# Allegro board PandaX_III_V3.brd (continued)
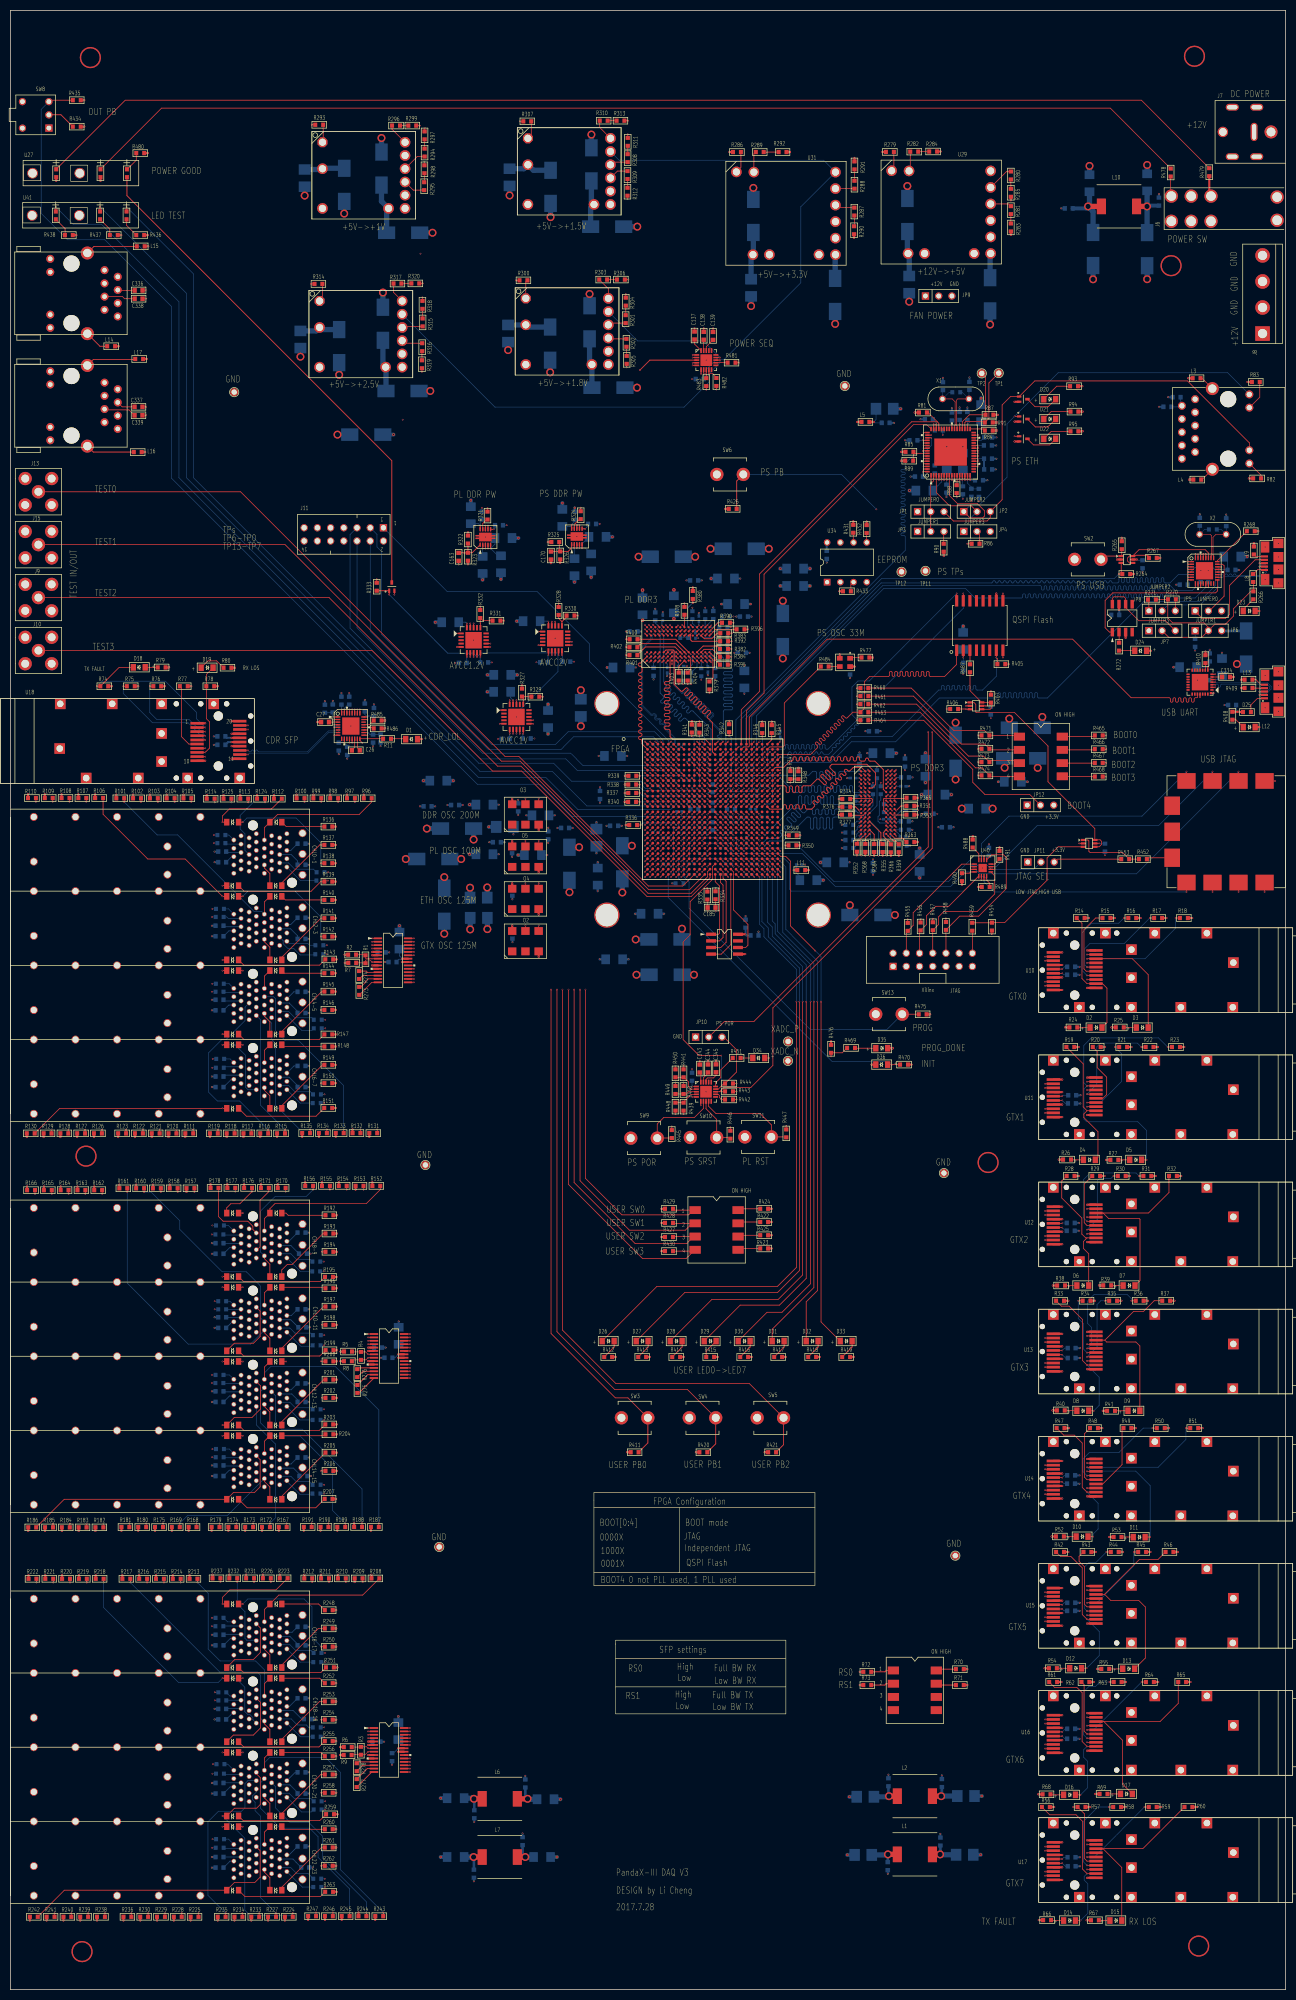
[diagram p0: board, top side]
## Routing (per net, layer and track width the routed paths; a pad name or vN(x,y) marks a point on that pad's centre or on a via; arc(x,y) is an arc through that point) (continued)
PL_DDR3_DQ15: length 25
  TOP w0.102: U43.A3 v1(121.96,256.41) ; U1.A2 v1(122.92,239.62)
  SIG2 w0.152: v1(121.96,256.41) 122.38,256 122.38,254.5 arc(122.46,254.3) 122.66,254.22 arc(122.85,254.14) 122.94,253.94 122.94,253.89 arc(122.85,253.69) 122.66,253.61 arc(122.46,253.53) 122.38,253.33 122.38,253.28 arc(122.46,253.08) 122.66,253 arc(122.85,252.92) 122.94,252.72 122.94,252.67 arc(122.85,252.47) 122.66,252.39 arc(122.46,252.31) 122.38,252.11 122.38,252.06 arc(122.46,251.86) 122.66,251.78 arc(122.85,251.7) 122.94,251.5 122.94,251.45 arc(122.85,251.26) 122.66,251.17 arc(122.46,251.09) 122.38,250.89 122.38,250.84 arc(122.46,250.65) 122.66,250.56 arc(122.85,250.48) 122.94,250.28 122.94,250.23 arc(122.85,250.04) 122.66,249.95 arc(122.46,249.87) 122.38,249.67 122.38,249.62 arc(122.46,249.43) 122.66,249.34 arc(122.85,249.26) 122.94,249.07 122.94,249.01 arc(122.85,248.82) 122.66,248.74 arc(122.46,248.65) 122.38,248.46 122.38,248.4 arc(122.46,248.21) 122.66,248.13 arc(122.85,248.04) 122.94,247.85 122.94,247.8 arc(122.85,247.6) 122.66,247.52 arc(122.46,247.43) 122.38,247.24 122.38,247.19 arc(122.46,246.99) 122.66,246.91 arc(122.85,246.82) 122.94,246.63 122.94,246.58 arc(122.85,246.38) 122.66,246.3 arc(122.46,246.21) 122.38,246.02 122.38,245.97 arc(122.46,245.77) 122.66,245.69 arc(122.85,245.61) 122.94,245.41 122.94,245.36 arc(122.85,245.16) 122.66,245.08 arc(122.46,245) 122.38,244.8 122.38,244.75 arc(122.46,244.55) 122.66,244.47 arc(122.85,244.39) 122.94,244.19 122.94,244.14 arc(122.85,243.94) 122.66,243.86 arc(122.46,243.78) 122.38,243.58 122.38,243.26 arc(122.43,243.14) 122.56,243.09 arc(122.68,243.03) 122.73,242.91 122.73,242.65 arc(122.68,242.53) 122.56,242.48 arc(122.43,242.42) 122.38,242.3 122.38,242.04 arc(122.43,241.92) 122.56,241.87 arc(122.68,241.81) 122.73,241.69 122.73,241.43 arc(122.68,241.31) 122.56,241.26 arc(122.43,241.2) 122.38,241.08 122.38,240.17 v1(122.92,239.62)
PL_DDR3_LDM: length 38.2
  TOP w0.127: U43.E7 v1(125.18,260.31)
  TOP w0.152: U1.D13 v1(133.92,236.62)
  BOTTOM w0.152: v1(133.92,236.62) 134.62,237.32 134.62,241.99 131.15,245.46 arc(130.93,245.55) 130.72,245.46 130.42,245.17 arc(129.99,245.17) 129.99,245.6 130.29,245.89 arc(130.29,246.32) 129.85,246.32 129.56,246.03 arc(129.13,246.03) 129.13,246.46 129.42,246.75 arc(129.42,247.18) 128.99,247.18 128.7,246.89 arc(128.27,246.89) 128.27,247.32 128.56,247.61 arc(128.56,248.05) 128.13,248.05 127.84,247.75 arc(127.41,247.75) 127.41,248.18 127.7,248.48 arc(127.7,248.91) 127.27,248.91 126.98,248.61 arc(126.54,248.61) 126.54,249.05 126.84,249.34 arc(126.84,249.77) 126.41,249.77 126.11,249.48 arc(125.68,249.48) 125.68,249.91 125.98,250.2 arc(126.06,250.42) 125.98,250.63 125.53,251.08 125.53,259.97 v1(125.18,260.31)
PL_DDR3_LDQS_N: length 38
  TOP w0.152: U43.G3 v1(126.73,256.38) ; U1.A14 v1(135.93,239.62)
  BOTTOM w0.102: v1(126.73,256.38) 126.44,256.66 126.44,256.92 126.55,257.02 127.33,257.02 127.48,256.87 127.48,250.39 128.98,248.89 arc(129.29,248.77) 129.59,248.89 130.11,249.41 arc(130.4,249.41) 130.4,249.13 129.88,248.61 arc(129.75,248.3) 129.88,248 arc(130.19,247.87) 130.49,248 131.01,248.52 arc(131.3,248.52) 131.3,248.23 130.78,247.71 arc(130.65,247.4) 130.78,247.1 arc(131.08,246.97) 131.39,247.1 131.91,247.62 arc(132.2,247.62) 132.2,247.33 131.68,246.81 arc(131.55,246.5) 131.68,246.2 arc(131.98,246.07) 132.29,246.2 132.81,246.72 arc(133.1,246.72) 133.1,246.43 132.58,245.91 arc(132.45,245.61) 132.58,245.3 arc(132.88,245.17) 133.19,245.3 133.71,245.82 arc(133.99,245.82) 133.99,245.53 133.47,245.01 arc(133.35,244.71) 133.47,244.4 arc(133.78,244.28) 134.08,244.4 134.6,244.92 arc(134.89,244.92) 134.89,244.64 134.37,244.12 arc(134.25,243.81) 134.37,243.51 136.31,241.56 136.31,241.05 arc(136.25,240.91) 136.11,240.85 135.99,240.85 arc(135.79,240.64) 135.99,240.44 136.11,240.44 arc(136.25,240.38) 136.31,240.24 136.31,240.01 v1(135.93,239.62)
PL_DDR3_LDQS_P: length 38.1
  TOP w0.152: U1.A15 v1(136.93,239.62) ; U43.F3 v1(125.93,256.38)
  BOTTOM w0.102: v1(136.93,239.62) 136.54,240.01 136.54,241.66 134.53,243.67 arc(134.47,243.81) 134.53,243.95 135.05,244.47 arc(135.05,245.08) 134.44,245.08 133.92,244.56 arc(133.78,244.51) 133.64,244.56 arc(133.58,244.71) 133.64,244.85 134.15,245.37 arc(134.15,245.98) 133.54,245.98 133.02,245.46 arc(132.88,245.4) 132.74,245.46 arc(132.68,245.61) 132.74,245.75 133.26,246.27 arc(133.26,246.88) 132.65,246.88 132.13,246.36 arc(131.98,246.3) 131.84,246.36 arc(131.78,246.5) 131.84,246.65 132.36,247.17 arc(132.36,247.78) 131.75,247.78 131.23,247.26 arc(131.08,247.2) 130.94,247.26 arc(130.88,247.4) 130.94,247.55 131.46,248.07 arc(131.46,248.68) 130.85,248.68 130.33,248.16 arc(130.19,248.1) 130.04,248.16 arc(129.98,248.3) 130.04,248.44 130.56,248.96 arc(130.56,249.58) 129.95,249.58 129.43,249.06 arc(129.29,249) 129.14,249.06 127.71,250.49 127.71,256.97 127.42,257.25 126.45,257.25 126.22,257.02 126.22,256.66 v1(125.93,256.38)
PL_DDR3_ODT: length 41.4
  TOP w0.127: U43.K1 v1(129.86,254.83)
  TOP w0.152: U43.K1 128.42,254.07 R403.1 ; U1.E16 v1(137.93,235.62)
  SIG2 w0.152: v1(137.93,235.62) 137.46,236.08 137.46,238.19 arc(137.41,238.33) 137.26,238.39 arc(137.12,238.45) 137.06,238.59 137.06,238.79 arc(137.12,238.94) 137.26,239 arc(137.41,239.06) 137.46,239.2 137.46,240.11 136.93,240.65 136.93,241.62 arc(136.84,241.84) 136.63,241.93 136.37,241.93 arc(136.07,242.23) 136.37,242.54 136.63,242.54 arc(136.93,242.84) 136.63,243.15 136.37,243.15 arc(136.07,243.45) 136.37,243.76 136.63,243.76 arc(136.93,244.06) 136.63,244.37 136.37,244.37 arc(136.07,244.67) 136.37,244.98 136.63,244.98 arc(136.93,245.28) 136.63,245.58 136.37,245.58 arc(136.07,245.89) 136.37,246.19 136.63,246.19 arc(136.93,246.5) 136.63,246.8 136.37,246.8 arc(136.07,247.11) 136.37,247.41 136.63,247.41 arc(136.84,247.5) 136.93,247.72 136.93,248.13 135.99,249.07 arc(135.9,249.29) 135.99,249.5 136.78,250.29 arc(136.78,250.72) 136.35,250.72 135.56,249.94 arc(135.34,249.85) 135.13,249.94 134.33,250.74 arc(134.11,250.83) 133.9,250.74 133.7,250.55 arc(133.27,250.55) 133.27,250.98 133.46,251.17 arc(133.55,251.38) 133.46,251.6 132.32,252.74 arc(132.22,252.79) 132.11,252.74 131.67,252.3 arc(131.24,252.3) 131.24,252.73 131.72,253.22 arc(131.72,253.65) 131.29,253.65 130.81,253.17 arc(130.38,253.17) 130.38,253.6 130.86,254.08 arc(130.95,254.3) 130.86,254.51 130.54,254.83 v1(129.86,254.83)
PL_DDR3_RAS_B: length 47.9
  TOP w0.102: U1.F14 v1(135.93,234.62)
  TOP w0.152: R401.1 120.47,256.24 122.02,257.79 127.7,257.79 U43.J3 v1(129.08,256.41)
  SIG2 w0.152: v1(135.93,234.62) 134.42,236.13 134.42,240.08 arc(134.33,240.29) 134.11,240.38 133.76,240.38 arc(133.45,240.69) 133.76,240.99 134.11,240.99 arc(134.42,241.3) 134.11,241.6 133.76,241.6 arc(133.45,241.91) 133.76,242.21 134.11,242.21 arc(134.42,242.52) 134.11,242.82 133.76,242.82 arc(133.45,243.13) 133.76,243.43 134.11,243.43 arc(134.42,243.74) 134.11,244.04 133.76,244.04 arc(133.45,244.35) 133.76,244.65 134.11,244.65 arc(134.42,244.96) 134.11,245.26 133.76,245.26 arc(133.45,245.57) 133.76,245.87 134.11,245.87 arc(134.42,246.17) 134.11,246.48 133.76,246.48 arc(133.45,246.78) 133.76,247.09 134.11,247.09 arc(134.33,247.18) 134.42,247.39 134.42,247.73 133.17,248.97 arc(132.95,249.06) 132.74,248.97 132.28,248.52 arc(131.85,248.52) 131.85,248.95 132.31,249.41 arc(132.31,249.84) 131.88,249.84 131.42,249.38 arc(130.99,249.38) 130.99,249.81 131.45,250.27 arc(131.53,250.48) 131.45,250.7 128.68,253.47 128.68,256.01 v1(129.08,256.41)
PL_DDR3_RESET_B: length 49.7
  TOP w0.127: U43.T2 v1(134.66,255.63)
  TOP w0.152: R379.2 134.99,251.83 134.99,255.3 v1(134.66,255.63) ; U1.D15 v1(136.93,236.62)
  BOTTOM w0.152: v1(134.66,255.63) 135.36,255.63 135.61,255.88 136.78,255.88 136.98,255.68 136.98,253.95 arc(137.07,253.73) 137.29,253.65 138.48,253.65 arc(138.79,253.34) 138.48,253.04 137.29,253.04 arc(136.98,252.73) 137.29,252.43 138.48,252.43 arc(138.79,252.12) 138.48,251.82 137.29,251.82 arc(136.98,251.51) 137.29,251.21 138.48,251.21 arc(138.79,250.9) 138.48,250.6 137.29,250.6 arc(136.98,250.29) 137.29,249.99 138.48,249.99 arc(138.79,249.68) 138.48,249.38 137.29,249.38 arc(136.98,249.07) 137.29,248.77 138.48,248.77 arc(138.79,248.46) 138.48,248.16 137.29,248.16 arc(136.98,247.85) 137.29,247.55 138.48,247.55 arc(138.79,247.24) 138.48,246.94 137.29,246.94 arc(136.98,246.64) 137.29,246.33 138.48,246.33 arc(138.79,246.03) 138.48,245.72 137.29,245.72 arc(137.07,245.63) 136.98,245.42 136.98,241.56 137.46,241.07 137.46,237.16 v1(136.93,236.62)
PL_DDR3_SYS_CK_N: length 30.3
  TOP w0.102: O3.5 v1(98.96,228.64) ; U1.J3 v1(123.92,231.62)
  SIG1 w0.102: v1(98.96,228.64) 100,228.64 100.1,228.74 100.1,230 100.43,230.33 117.12,230.33 117.47,230.68 122.17,230.68 122.61,230.25 124.13,230.25 124.31,230.43 124.31,230.45 124.31,231.24 v1(123.92,231.62)
PL_DDR3_SYS_CK_P: length 30.3
  TOP w0.102: U1.J4 v1(124.92,231.62) ; O3.4 v1(101.5,228.64)
  SIG1 w0.102: v1(124.92,231.62) 124.56,231.26 124.56,230.45 124.56,230.32 124.24,230 122.5,230 122.07,230.43 117.58,230.43 117.22,230.07 100.54,230.07 100.36,229.89 100.36,228.75 100.47,228.64 v1(101.5,228.64)
PL_DDR3_UDM: length 25.1
  TOP w0.127: U43.D3 v1(124.38,256.43)
  TOP w0.152: U1.C4 v1(124.92,237.62)
  SIG2 w0.152: v1(124.38,256.43) 124.76,256.05 124.76,254.13 125.37,253.52 125.37,251.8 arc(125.43,251.66) 125.56,251.61 arc(125.7,251.55) 125.76,251.42 125.76,251.19 arc(125.7,251.05) 125.56,251 arc(125.43,250.94) 125.37,250.81 125.37,250.58 arc(125.43,250.44) 125.56,250.39 arc(125.7,250.33) 125.76,250.2 125.76,249.97 arc(125.7,249.83) 125.56,249.78 arc(125.43,249.72) 125.37,249.59 125.37,249.36 arc(125.43,249.22) 125.56,249.17 arc(125.7,249.11) 125.76,248.98 125.76,248.75 arc(125.7,248.61) 125.56,248.56 arc(125.43,248.5) 125.37,248.37 125.37,248.14 arc(125.43,248) 125.56,247.95 arc(125.7,247.89) 125.76,247.76 125.76,247.53 arc(125.7,247.39) 125.56,247.34 arc(125.43,247.28) 125.37,247.15 125.37,246.92 arc(125.43,246.79) 125.56,246.73 arc(125.7,246.67) 125.76,246.54 125.76,246.31 arc(125.7,246.18) 125.56,246.12 arc(125.43,246.06) 125.37,245.93 125.37,245.7 arc(125.43,245.57) 125.56,245.51 arc(125.7,245.45) 125.76,245.32 125.76,245.09 arc(125.7,244.96) 125.56,244.9 arc(125.43,244.84) 125.37,244.71 125.37,244.48 arc(125.43,244.35) 125.56,244.29 arc(125.7,244.24) 125.76,244.1 125.76,243.87 arc(125.7,243.74) 125.56,243.68 arc(125.43,243.63) 125.37,243.49 125.37,242.79 arc(125.42,242.68) 125.53,242.63 arc(125.63,242.59) 125.68,242.48 125.68,242.18 arc(125.63,242.07) 125.53,242.02 arc(125.42,241.98) 125.37,241.87 125.37,241.41 arc(125.46,241.19) 125.68,241.1 125.88,241.1 arc(126.19,240.8) 125.88,240.49 125.68,240.49 arc(125.46,240.4) 125.37,240.19 125.37,238.13 124.92,237.67 v1(124.92,237.62)
PL_DDR3_UDQS_N: length 28.7
  TOP w0.102: U1.A5 v1(126.93,239.62) ; U43.B7 v1(122.78,260.31)
  BOTTOM w0.102: v1(122.78,260.31) 123.07,260.02 123.07,259.39 121.28,257.61 121.28,246.44 122.98,244.74 arc(123.29,244.62) 123.59,244.74 arc(123.67,244.77) 123.74,244.74 123.93,244.56 arc(123.94,244.53) 123.93,244.5 123.88,244.46 arc(123.88,243.85) 124.49,243.85 arc(124.56,243.88) 124.64,243.85 124.82,243.66 arc(124.84,243.63) 124.82,243.6 124.78,243.56 arc(124.78,242.95) 125.39,242.95 arc(125.46,242.98) 125.54,242.95 125.72,242.76 arc(125.73,242.74) 125.72,242.71 125.67,242.66 arc(125.55,242.35) 125.67,242.05 126.89,240.83 arc(126.94,240.72) 126.89,240.61 arc(126.84,240.5) 126.89,240.39 126.96,240.33 arc(127.07,240.28) 127.18,240.33 arc(127.29,240.37) 127.4,240.33 127.56,240.17 127.56,239.38 127.41,239.23 127.31,239.23 v1(126.93,239.62)
PL_DDR3_UDQS_P: length 28.7
  TOP w0.102: U1.B6 v1(126.92,238.62) ; U43.C7 v1(123.58,260.31)
  BOTTOM w0.102: v1(123.58,260.31) 123.3,260.02 123.3,259.3 121.51,257.51 121.51,246.53 123.14,244.91 arc(123.29,244.85) 123.43,244.91 arc(123.67,245) 123.9,244.91 124.09,244.72 arc(124.17,244.53) 124.09,244.34 124.04,244.29 arc(124.04,244.01) 124.33,244.01 arc(124.56,244.11) 124.8,244.01 124.98,243.82 arc(125.06,243.63) 124.98,243.44 124.94,243.4 arc(124.94,243.11) 125.23,243.11 arc(125.46,243.21) 125.7,243.11 125.88,242.93 arc(125.96,242.74) 125.88,242.55 125.84,242.5 arc(125.78,242.35) 125.84,242.21 127.79,240.26 127.79,239.29 127.51,239 127.31,239.01 v1(126.92,238.62)
PL_DDR3_WE_B: length 49.5
  TOP w0.102: U43.L3 v1(130.71,256.38)
  TOP w0.152: U1.H14 v1(135.93,232.62) ; R400.1 127.84,259.26 130.32,256.78 U43.L3
  SIG1 w0.152: v1(135.93,232.62) 135.6,232.62 134.39,233.83 134.39,242.8 132.08,245.11 132.08,246.18 arc(132.17,246.39) 132.38,246.48 133.45,246.48 arc(133.76,246.79) 133.45,247.09 132.38,247.09 arc(132.08,247.4) 132.38,247.7 133.45,247.7 arc(133.76,248.01) 133.45,248.31 132.38,248.31 arc(132.08,248.62) 132.38,248.92 133.45,248.92 arc(133.76,249.23) 133.45,249.53 132.38,249.53 arc(132.08,249.84) 132.38,250.14 133.45,250.14 arc(133.76,250.45) 133.45,250.75 132.38,250.75 arc(132.17,250.84) 132.08,251.05 132.08,251.13 131.04,252.17 131.04,256.05 v1(130.71,256.38)
PL_DDR3_ZQ: length 7
  TOP w0.127: U43.L8 v1(130.66,261.11)
  TOP w0.152: R380.2 v2(131.11,266.27)
  BOTTOM w0.152: v2(131.11,266.27) 130.1,265.25 130.1,261.67 v1(130.66,261.11)
PL_DDR_VREF75V: length 9.6
  TOP w0.127: U43.M8 v1(131.46,261.11) ; U43.H1 v1(128.26,254.83)
  TOP w0.152: U1.H8 v1(128.92,232.62) ; U28.6 v1(92.86,280.37) ; U1.E13 v1(133.92,235.62) ; U1.C3 v1(123.92,237.62) ; U1.C13 v1(133.92,237.62)
  BOTTOM w0.152: C187.2 129.39,232.16 v1(128.92,232.62) ; v1(92.86,280.37) 93.12,280.63 C166.1 ; C188.2 134.39,235.15 v1(133.92,235.62) ; C189.2 133.43,237.13 v1(133.92,237.62) ; v1(123.92,237.62) 123.44,237.15 C190.2 ; C319.1 131.62,260.94 v1(131.46,261.11) ; C320.1 128.35,254.75 v1(128.26,254.83)
PL_DDR_VTT75V: length 28.4
  TOP w0.152: R383.2 v1(138.61,260.43) ; R392.2 v1(138.58,258.88) ; R382.2 v1(138.56,257.4) ; R404.2 v1(130.12,250.65) ; R402.2 v1(118.26,257.73) ; R403.2 v1(128.42,250.65) ; R401.2 v1(118.26,256.21) ; R400.2 v1(118.29,259.26) ; U28.5 v1(92.26,276.69) ; R384.2 v1(138.53,255.91) ; U28.3 v1(91.26,276.69) ; R396.2 v1(141.73,261.16) ; R390.2 v1(138.94,262.43) ; R395.2 v1(138.53,254.38) ; R378.2 v1(129.51,266.17)
  BOTTOM w0.152: R394.2 v1(138.46,259.61) ; R391.2 v1(138.46,258.14) ; R398.2 v1(131.04,265.33) ; R385.2 v1(138.46,256.67) ; R388.2 v1(138.94,263.63) ; R389.2 v1(138.43,255.17) ; C167.1 93.11,277.54 v1(92.26,276.69) 93.66,275.29 C168.1 ; R399.2 v1(129.26,250.62) ; R397.2 v1(130.78,250.65) ; R386.2 v1(133.5,265.33) ; R387.2 v1(132.74,251.49)
  BOTTOM w0.381: R393.2 v1(138.43,261.65) ; C325.1 v1(139.47,263.63) ; C326.1 v1(121.21,260.76) ; C323.1 v1(141.02,254.33) ; C324.1 v1(139.09,256.67)
  BOTTOM w0.508: C321.1 v5(127.48,263.2) ; C322.1 v2(136.61,266.02)
PL_JTAG_SEL: length 16
  TOP w0.127: U40.10 v1(189.13,215.09) ; U40.2 v1(184.51,215.59)
  BOTTOM w0.127: JP11.2 196.63,215.09 v1(189.13,215.09) 188.49,215.09 187.71,215.88 184.79,215.88 v1(184.51,215.59)
PL_JTAG_TCK: length 60.5
  TOP w0.102: U1.W12 v1(132.92,220.62)
  TOP w0.127: R490.1 184.26,214.35 v1(184.51,214.59) U40.4
  BOTTOM w0.127: v1(184.51,214.59) 183.45,214.59 180.62,211.76 158.55,211.76 152.15,218.16 138.73,218.16 138.46,218.44 138.46,219.81 138.15,220.12 133.42,220.12 v1(132.92,220.62)
PL_JTAG_TDI: length 63.8
  TOP w0.102: U1.V11 v1(131.92,221.62)
  TOP w0.127: U40.12 v1(189.13,216.09) 190.04,217.01 R491.1
  SIG1 w0.127: v1(189.13,216.09) 189.05,216.01 156.91,216.01 153.85,219.08 141.66,219.08 141.3,219.43 141.3,221.18 140.44,222.05 132.36,222.05 131.93,221.62 v1(131.92,221.62)
PL_JTAG_TDO: length 70.8
  TOP w0.102: U1.W10 v1(130.92,220.62)
  TOP w0.127: R489.1 188.16,212.43 v1(187.57,213.03) U40.8
  BOTTOM w0.127: v1(187.57,213.03) 187.57,213.25 187.15,213.67 185.9,213.67 183.13,210.9 150.09,210.9 149.68,211.3 149.68,216.18 148.77,217.09 130.56,217.09 130.43,217.22 130.43,220.13 v1(130.92,220.62)
PL_JTAG_TMS: length 64.4
  TOP w0.102: U1.W11 v1(131.92,220.62)
  TOP w0.127: R488.1 186.07,218.1 v1(186.07,217.65) U40.16
  BOTTOM w0.127: v1(131.92,220.62) 131.92,220.62 132.44,221.13 139.29,221.13 139.5,220.93 139.5,219.28 139.62,219.15 151.82,219.15 158.24,212.73 180.24,212.73 185.17,217.65 v1(186.07,217.65)
PL_RST_B: length 55.8
  TOP w0.127: v1(136.58,179.33) 132.33,179.33 129.26,182.4 129.26,201.17 130.61,202.52 130.61,208.89 134.9,213.18 134.9,215.62 135.4,216.12 U1.AD14 ; U38.12 136,171.89 136.24,171.65 136.24,171.28 v1(136.63,170.89) R442.1
  BOTTOM w0.127: v1(136.58,179.33) 136.63,179.27 v1(136.63,170.89)
PL_RST_B_IN: length 19.7
  TOP w0.127: U38.9 134.16,169.6 135.59,168.17 144.07,168.17 146.2,166.04 SW11.2 149,163.7 R447.1
POWER_EN0: length 31.9
  TOP w0.127: R483.1 v1(133.71,310.23)
  TOP w0.152: U30.14 v1(136.32,313.35) ; U30.8 v1(133.71,310.23)
  BOTTOM w0.127: U24.9 120.53,316.54 133.14,316.54 v1(136.32,313.35) 135.98,313.35 133.71,311.08 v1(133.71,310.23)
POWER_EN1: length 167.4
  TOP w0.127: R482.1 135.64,309.58 134.95,310.26 134.23,310.26 v1(134.21,310.23)
  TOP w0.152: U30.13 v1(136.32,312.85) ; U30.9 v1(134.21,310.23)
  BOTTOM w0.127: U25.9 116.98,351.23 156.25,351.23 U31.10 151.87,342.3 151.87,327.71 137.09,312.93 136.41,312.93 v1(136.32,312.85) 136.32,312.35 v1(134.21,310.23) 134.21,308.6 129.44,303.84 93.1,303.84 U26.9
POWER_LED0: length 232.5
  TOP w0.127: R479.2 217.3,362.76 22.06,362.76 U27.3
POWER_LED1: length 215.3
  TOP w0.127: U27.5 29.04,361.24 211.33,361.24 R478.2
POWER_LED2: length 98.9
  TOP w0.152: Q4.3 73.28,293.55 22.39,344.44 U27.8
PS_CLK: length 21.6
  TOP w0.127: R484.1 148.69,247.02 148.69,238.86 148.41,238.58 145.89,238.58 U1.B24
PS_GPIO_1V8_0: length 48.5
  TOP w0.102: U1.B22 v1(143.93,238.62)
  SIG1 w0.127: v1(143.93,238.62) 145.57,240.26 145.57,240.69 150.72,245.85 150.72,248.72 160.86,258.85 162.28,258.85 TP11.1
PS_GPIO_1V8_1: length 46
  TOP w0.102: U1.B21 v1(142.93,238.62)
  SIG1 w0.127: v1(142.93,238.62) 143.48,239.18 143.48,244.48 TP12.1
PS_I2C_SCL: length 52.8
  TOP w0.102: U1.D23 v1(144.93,236.62)
  TOP w0.127: U34.6 161.95,277.9 R431.1
  SIG3 w0.127: U34.6 163.27,276.58 163.27,268.25 149.43,254.41 149.43,240.41 148.06,239.04 146.66,239.04 145.41,237.8 145.41,237.11 v1(144.93,236.62)
PS_I2C_SDA: length 54.3
  TOP w0.102: U1.C24 v1(145.93,237.62)
  TOP w0.127: U34.5 164.52,277.88 R432.1
  SIG3 w0.127: U34.5 165.66,276.73 165.66,266.96 160.25,261.54 160.25,246.91 151.69,238.35 146.66,238.35 v1(145.93,237.62)
PS_PB: length 95.2
  TOP w0.102: U1.E26 v1(147.93,235.62)
  TOP w0.152: R426.2 139.55,289.64 SW6.2
  SIG3 w0.127: v1(147.93,235.62) 152.64,235.62 166.4,249.38 v1(166.4,284.2)
  BOTTOM w0.127: SW6.2 159.69,290.91 v1(166.4,284.2)
PS_POR_B: length 113
  TOP w0.102: U1.C23 v1(144.93,237.62)
  TOP w0.127: JP10.2 137.21,185.9 142.88,185.9 176.35,219.38 v1(176.35,241.43)
  SIG4 w0.127: v1(176.35,241.43) 176.05,241.12 151.03,241.12 148.87,238.96 146.27,238.96 v1(144.93,237.62)
PS_POR_B_IN: length 17
  TOP w0.127: R445.1 124.31,163.5 SW9.2 124.28,166.19 125.55,167.46 131.44,167.46 133.15,169.17 U38.7
PS_SRST_B: length 191.5
  TOP w0.102: U1.A22 v1(143.93,239.62)
  TOP w0.127: U42.4 209.18,219.41 209.65,219.87 209.65,220.48 209.37,220.75 208.39,220.75 U42.6 208.36,222.9 199.36,231.9 199.36,238.76 192.96,245.16 185.62,245.16 185.5,245.29 185.5,246.76 185.12,247.14 U36.1 v1(183.61,247.14) ; R443.1 137.26,172.39 136.27,172.39 ; v1(177.11,241.43) 177.11,219.1 146.51,188.49 146.51,177.45 142.29,173.23 137.11,173.23 136.27,172.39 ; 136.27,172.39 U38.13
  SIG4 w0.127: v1(177.11,241.43) 182.04,241.43 184.2,243.59 184.2,246.58 183.64,247.14 v1(183.61,247.14) 179.67,243.21 149.63,243.21 146.05,239.62 v1(143.93,239.62)
PS_SRST_B_IN: length 10.5
  TOP w0.127: U38.8 133.65,169.11 135.71,167.06 SW10.2 138.1,163.6 R446.1
RX_CDR_CLKN: length 70.6
  TOP w0.102: U4.25 v1(67.16,245.78) ; U1.N2 v1(122.92,227.62)
  SIG2 w0.102: v1(67.16,245.78) 67.16,246.08 67.03,246.2 67.03,246.32 67.42,246.71 68.55,246.71 68.71,246.55 arc(68.77,246.41) 68.71,246.26 68.57,246.12 arc(68.57,245.83) 68.86,245.83 69,245.97 arc(69.14,246.03) 69.29,245.97 71.02,244.24 71.02,241.37 78.48,233.91 103.91,233.91 107.98,229.85 117.56,229.85 118.25,230.53 122.02,230.53 123.29,229.26 123.29,228 v1(122.92,227.62)
RX_CDR_CLKP: length 70.6
  TOP w0.102: U1.N3 v1(123.92,227.62) ; U4.26 v1(66.65,245.78)
  SIG2 w0.102: v1(66.65,245.78) 66.65,246.08 66.78,246.2 66.78,246.42 67.32,246.97 68.66,246.97 71.27,244.35 71.27,241.48 78.59,234.16 104.02,234.16 108.08,230.1 117.46,230.1 118.14,230.79 122.12,230.79 123.55,229.36 123.55,228 v1(123.92,227.62)
RX_CDR_RXN: length 70.2
  TOP w0.102: U4.28 v1(65.65,245.78) ; U1.M1 v1(121.92,228.62)
  SIG2 w0.102: v1(65.65,245.78) 65.56,245.69 65.56,245.62 65.53,245.59 65.53,245.36 arc(65.58,245.23) 65.71,245.18 arc(65.84,245.13) 65.89,245 65.89,244.95 arc(65.84,244.82) 65.71,244.77 arc(65.58,244.72) 65.53,244.59 65.53,243.87 66.83,242.57 66.83,239.12 72.77,233.17 101.68,233.17 107.39,227.46 115.67,227.46 117.17,228.96 120.92,228.96 121.58,228.3 121.82,228.3 121.92,228.4 v1(121.92,228.62)
RX_CDR_RXP: length 70.2
  TOP w0.102: U4.29 v1(65.16,245.78) ; U1.N1 v1(121.92,227.62)
  SIG2 w0.102: v1(121.92,227.62) 121.82,227.73 121.82,227.94 121.72,228.04 121.48,228.04 120.82,228.7 117.27,228.7 115.77,227.2 107.29,227.2 101.57,232.92 72.67,232.92 66.57,239.01 66.57,242.47 65.28,243.76 65.28,245.59 65.23,245.64 65.23,245.71 v1(65.16,245.78)
SFP_MOD_ABS0: length 21.2
  TOP w0.127: R17.1 v1(218.92,205.74) ; U10.6 v1(206.86,196.32)
  BOTTOM w0.127: v1(218.92,205.74) 214.01,200.84 207.4,200.84 206.43,199.86 206.43,196.75 v1(206.86,196.32)
SFP_MOD_ABS1: length 21.6
  TOP w0.127: R22.1 v1(217.28,180.98) ; U11.6 v1(206.86,171.91)
  BOTTOM w0.127: v1(217.28,180.98) 216.54,181.71 209.45,181.71 208.74,181 208.74,173.79 v1(206.86,171.91)
SFP_MOD_ABS2: length 22.3
  TOP w0.127: R31.1 v1(216.85,156.21) ; U12.6 v1(206.86,147.5)
  BOTTOM w0.127: v1(216.85,156.21) 216.27,156.8 207.47,156.8 206.15,155.47 206.15,148.21 v1(206.86,147.5)
SFP_MOD_ABS3: length 22
  TOP w0.127: R36.1 v1(215.37,132.26) ; U13.6 v1(206.86,123.09)
  BOTTOM w0.127: v1(206.86,123.09) 207.75,123.98 207.75,127.13 206.98,127.89 206.98,132.21 208.23,133.45 214.58,133.45 215.37,132.66 v1(215.37,132.26)
SFP_MOD_ABS4: length 21.9
  TOP w0.127: R50.1 v1(219.44,107.8) ; U14.6 v1(206.86,98.68)
  BOTTOM w0.127: v1(206.86,98.68) 206.1,99.44 206.1,101.91 207.34,103.15 213.03,103.15 217.68,107.8 v1(219.44,107.8)
SFP_MOD_ABS5: length 17.2
  TOP w0.127: R45.1 v1(215.85,84.02) ; U15.6 v1(206.86,74.27)
  BOTTOM w0.127: v1(215.85,84.02) 215.85,81.36 208.79,74.3 206.88,74.3 v1(206.86,74.27)
SFP_MOD_ABS6: length 16.9
  TOP w0.127: U16.6 v1(206.86,49.86) ; R64.1 v1(217.35,59.06)
  BOTTOM w0.127: v1(206.86,49.86) 208.15,49.86 v1(217.35,59.06)
SFP_MOD_ABS7: length 17.6
  TOP w0.127: U17.6 v1(206.86,25.45) ; R59.1 v1(217.89,35.05)
  BOTTOM w0.127: v1(217.89,35.05) 208.29,25.45 v1(206.86,25.45)
SFP_MOD_ABS8: length 13.4
  TOP w0.127: R77.1 32.89,249.9 32.89,240.54 34.29,239.14 U18.6
SFP_RS0: length 718.5
  TOP w0.127: U17.7 v1(206.86,26.26) ; U15.7 v1(206.86,75.08) ; U13.7 v1(206.86,123.9) ; U16.7 v1(206.86,50.67) ; SW1.1 v1(168.27,61.27) ; U11.7 v1(206.86,172.72) ; U12.7 v1(206.86,148.31) ; U10.7 v1(206.86,197.13) ; U14.7 v1(206.86,99.49) ; U18.7 v1(37.44,238.33)
  TOP w0.152: v1(168.27,61.27) 168.02,61.01 R72.2
  SIG4 w0.127: v1(206.86,26.26) 205,26.26 204.19,25.45 204.19,24.46 190.65,10.92 11.1,10.92 7.34,14.68 7.34,232.06 13.61,238.33 v1(37.44,238.33) ; v1(206.86,26.26) 206.2,26.93 206.2,32.21 177.14,61.27 v1(168.27,61.27) ; v1(206.86,26.26) 208.91,28.32 208.91,42.72 205.89,45.75 205.89,49.71 v1(206.86,50.67) 206.91,50.67 208.89,52.66 208.89,59.61 209.68,60.4 209.68,72.26 v1(206.86,75.08) 206.91,75.08 209.09,77.27 209.09,97.26 v1(206.86,99.49) 209.04,101.68 209.04,121.72 v1(206.86,123.9) 209.11,126.15 209.11,134.48 208.71,134.88 208.71,146.46 v1(206.86,148.31) 208.79,150.24 208.79,170.79 v1(206.86,172.72) 208.79,174.65 208.79,195.2 v1(206.86,197.13)
SFP_RS1: length 701.9
  TOP w0.127: SW1.2 v1(168.27,58.73) ; U13.9 v1(206.86,125.5) ; U15.9 v1(206.86,76.68) ; U18.9 v1(37.44,236.73) ; U11.9 v1(206.86,174.32) ; U12.9 v1(206.86,149.91) ; U16.9 v1(206.86,52.27) ; U14.9 v1(206.86,101.09) ; U17.9 v1(206.86,27.86) ; U10.9 v1(206.86,198.73)
  TOP w0.152: R73.2 168.02,58.47 v1(168.27,58.73)
  SIG1 w0.127: v1(168.27,58.73) 174.12,52.88 199.69,52.88 200.71,51.87 206.45,51.87 v1(206.86,52.27)
  SIG3 w0.127: v1(206.86,198.73) 208.84,196.75 208.84,176.3 v1(206.86,174.32) 208.79,172.39 208.79,151.84 v1(206.86,149.91) 208.64,148.13 208.64,134.44 208.79,134.28 208.79,127.44 v1(206.86,125.5) 208.81,123.55 208.81,103.05 v1(206.86,101.09) 208.99,98.96 208.99,78.82 v1(206.86,76.68) 209.3,74.25 209.3,60 208.91,59.61 208.91,54.33 v1(206.86,52.27) 209.02,50.12 209.02,30.02 v1(206.86,27.86) 204.11,25.12 204.11,21.95 193.07,10.9 15.19,10.9 13.25,12.84 13.24,12.84 12.99,13.09 12.99,13.09 11.82,14.26 11.54,14.26 11.29,14.51 11.29,14.8 7.37,18.72 7.37,232.08 12.57,237.29 36.88,237.29 v1(37.44,236.73)
SFP_RX_LOS0: length 45.4
  TOP w0.127: v1(206.86,197.92) U10.8 215.57,197.92 218.62,194.87 218.62,184.71 ; R18.1 v1(223.88,205.74)
  BOTTOM w0.127: v1(206.86,197.92) 218.01,197.92 223.88,203.79 v1(223.88,205.74)